# KiCad board 23-Carte_Alim_Turbines.kicad_pcb
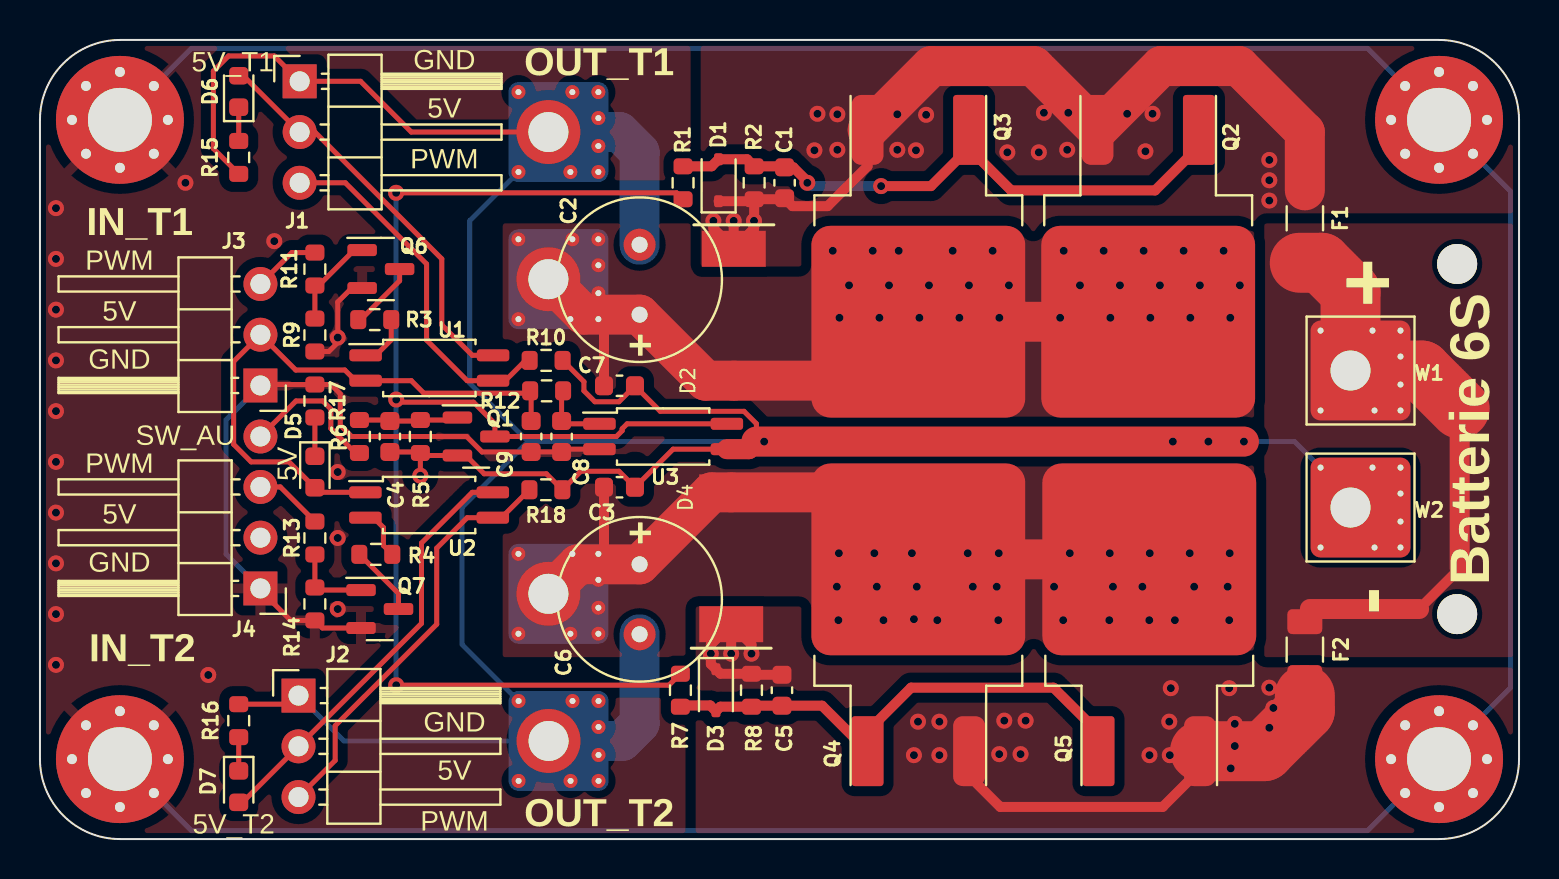
[diagram p0: board, top side]
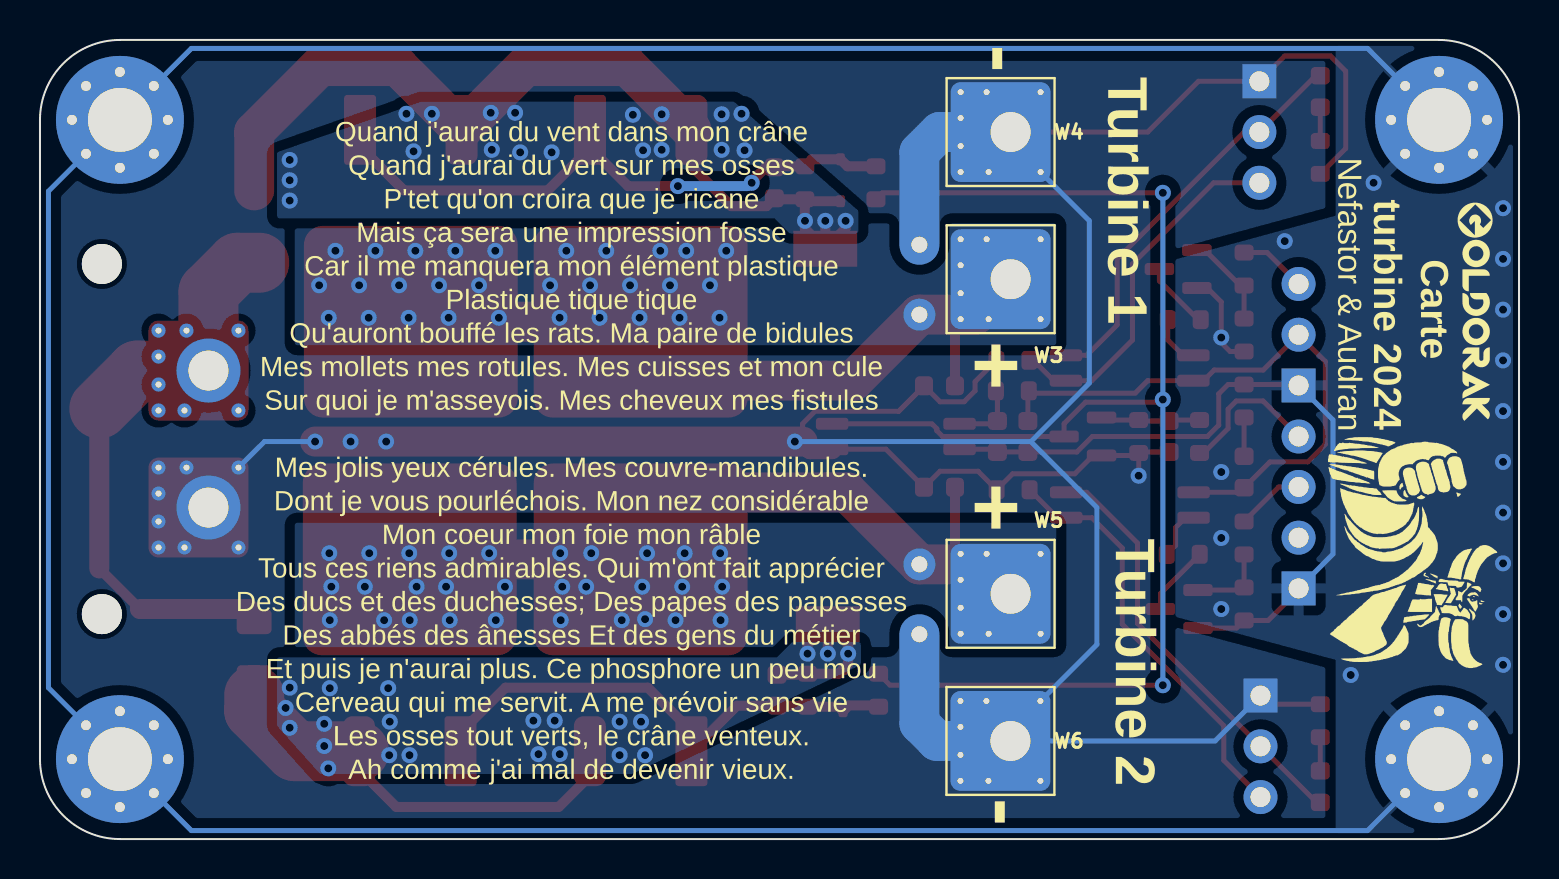
[diagram p1: board, bottom side, seen from below]

Outline 74 x 40 mm; copper layers: Top, Bottom. Coordinates in mm from the lower left corner of the outline.
Outline path: 0,36 arc(1.17,38.83) 4,40 70,40 arc(72.83,38.83) 74,36 74,4 arc(72.83,1.17) 70,0 4,0 arc(1.17,1.17) 0,4 0,36
Stack: Top 0.035mm / dielectric 1.51mm FR4 er 4.5 / Bottom 0.035mm

## Placement (name value [footprint] x y rotation side)
C1  100nF  [C_0603_1608Metric]  37.25 32.85 90 top
C2  470uF  [C_Radial_D8.0mm_H11.5mm_P3.50mm]  30 26.25 90 top
C3  100nF  [C_0603_1608Metric]  28.99 17.61 0 top
C4  100nF  [C_0603_1608Metric]  17.51 20.15 270 top
C5  100nF  [C_0603_1608Metric]  37.12 7.45 270 top
C6  470uF  [C_Radial_D8.0mm_H11.5mm_P3.50mm]  30 13.75 270 top
C7  100nF  [C_0603_1608Metric]  28.99 22.69 0 top
C8  100nF  [C_0603_1608Metric]  26.1 20.15 270 top
C9  10µF  [C_0603_1608Metric]  24.57 20.15 270 top
D1  14.6V  [D_SOD-323]  33.95 32.98 90 top
D2  ~  [DO-214AB]  34.71 26.25 270 top
D3  14.6V  [D_SOD-323]  33.82 7.45 270 top
D4  ~  [DO-214AB]  34.58 14.05 90 top
D5  LED  [LED_0603_1608Metric]  13.75 18.37 270 top
D6  LED  [LED_0603_1608Metric]  9.94 37.42 90 top
D7  LED  [LED_0603_1608Metric]  9.94 2.62 270 top
F1  40A (SF-1206HV40M-2)  [Fuse_1206_3216Metric]  63.28 31.07 90 top
F2  40A (SF-1206HV40M-2)  [Fuse_1206_3216Metric]  63.28 9.48 270 top
G***  -  [LOGO]  5.24 14.43 270 bottom
G***#2  -  [LOGO]  2.2 26.37 270 bottom
H1  MountingHole  [MountingHole_3.2mm_M3_Pad_Via]  4 4 0 top
H2  MountingHole  [MountingHole_3.2mm_M3_Pad_Via]  4 36 0 top
H3  MountingHole  [MountingHole_3.2mm_M3_Pad_Via]  70 36 0 top
H4  MountingHole  [MountingHole_3.2mm_M3_Pad_Via]  70 4 0 top
H5  MountingHole  [MountingHole_2mm]  70.9 28.79 0 top
H6  MountingHole  [MountingHole_2mm]  70.9 11.26 0 top
J1  Conn_01x03  [PinHeader_1x03_P2.54mm_Horizontal]  12.99 37.93 0 top
J2  Conn_01x03  [PinHeader_1x03_P2.54mm_Horizontal]  12.93 7.18 0 top
J3  Conn_01x03  [PinHeader_1x03_P2.54mm_Horizontal]  11.03 22.7 180 top
J4  Conn_01x03  [PinHeader_1x03_P2.54mm_Horizontal]  11.03 12.54 180 top
NOREF  -  [unnamed]  11.03 20.15 0 top
Q1  2N7002  [SOT-23]  21.82 20.15 0 top
Q2  SUM110P06-08L  [TO-263-2_Goldorak]  55.45 27.4 270 top
Q3  SUM110P06-08L  [TO-263-2_Goldorak]  43.95 27.4 270 top
Q4  SUM110P06-08L  [TO-263-2_Goldorak]  43.95 12.5 90 top
Q5  SUM110P06-08L  [TO-263-2_Goldorak]  55.5 12.5 90 top
Q6  2N7002  [SOT-23]  17.06 28.53 0 top
Q7  2N7002  [SOT-23]  17 11.51 0 top
R1  10k  [R_0603_1608Metric]  32.17 32.85 270 top
R2  10k  [R_0603_1608Metric]  35.73 32.85 270 top
R3  330  [R_0603_1608Metric]  16.75 26 0 top
R4  330  [R_0603_1608Metric]  16.8 14.25 0 top
R5  100k  [R_0603_1608Metric]  19.03 20.15 90 top
R6  47k  [R_0603_1608Metric]  15.98 20.15 270 top
R7  10k  [R_0603_1608Metric]  32.04 7.45 90 top
R8  10k  [R_0603_1608Metric]  35.6 7.45 90 top
R9  100k  [R_0603_1608Metric]  13.75 25.23 270 top
R10  10k  [R_0603_1608Metric]  25.32 23.96 0 top
R11  22  [R_0603_1608Metric]  13.75 28.53 270 top
R12  330  [R_0603_1608Metric]  25.35 22.44 0 top
R13  22  [R_0603_1608Metric]  13.75 15.07 270 top
R14  100k  [R_0603_1608Metric]  13.75 11.77 270 top
R15  1k  [R_0603_1608Metric]  9.94 34.12 90 top
R16  1k  [R_0603_1608Metric]  9.94 5.93 270 top
R17  1k  [R_0603_1608Metric]  13.75 21.93 270 top
R18  10k  [R_0603_1608Metric]  25.31 17.48 0 top
U1  ACPL-214-500E  [SOP-4_4.4x2.6mm_P1.27mm]  19.48 23.58 0 top
U2  ACPL-214-500E  [SOP-4_4.4x2.6mm_P1.27mm]  19.47 16.72 0 top
U3  ACPL-214-500E  [SOP-4_4.4x2.6mm_P1.27mm]  31.18 20.15 0 top
W1  Solder_Pad  [WireSolder_Pad_5.0x5.0mm]  65.57 23.45 0 top
W2  Solder_Pad  [WireSolder_Pad_5.0x5.0mm]  65.57 16.59 0 top
W3  Solder_Pad  [WireSolder_Pad_5.0x5.0mm]  25.44 28.02 0 bottom
W4  Solder_Pad  [WireSolder_Pad_5.0x5.0mm]  25.44 35.39 0 bottom
W5  Solder_Pad  [WireSolder_Pad_5.0x5.0mm]  25.44 12.28 0 bottom
W6  Solder_Pad  [WireSolder_Pad_5.0x5.0mm]  25.45 4.91 0 bottom

## Library data of the parts
C1 C3-C5 C7-C9 = -: Description: Unpolarized capacitor; Max voltage: 50V
C2 C6 = -: Description: Polarized capacitor, small symbol
D1 D3 = -: Description: Zener diode
D2 D4 = -: Description: Diode, small symbol, filled shape; Sim.Device: D; Sim.Pins: 1=K 2=A
D5-D7 = -: Description: Light emitting diode
F1 F2 = -: Description: Fuse
H1-H4 W1-W6 = -: Description: Mounting Hole with connection
H5 H6 = -: Description: Mounting Hole without connection
J1-J4 = -: Description: Generic connector, single row, 01x03, script generated (kicad-library-utils/schlib/autogen/connector/)
Q1 Q6 Q7 = -: Description: 0.115A Id, 60V Vds, N-Channel MOSFET, SOT-23
Q2-Q5 = -: Description: -35A Id, -60V Vds, P-Channel Power MOSFET, 25mOhm Ron, 25.0nC Qg (typ), TO252
R1-R18 = -: Description: Resistor
U1-U3 = -: Description: AC/DC Phototransistor Optocoupler, Vce 80V, CTR 20-400%, SOP-4

## Footprints (pads in the part's own frame, mm; a bottom-side part is the same pattern mirrored in y, then rotated)
C_0603_1608Metric
  rrect 0.9x0.95 smd: 1(-0.775,0) 2(0.775,0)
C_Radial_D8.0mm_H11.5mm_P3.50mm
  round 1.6 hole 0.8: 1(0,0) 2(3.5,0)
D_SOD-323
  rrect 0.6x0.45 smd: 1(-1.05,0) 2(1.05,0)
DO-214AB
  rect 1.8x3.2 smd: 1(-3.3,0) 2(3.3,0)
Fuse_1206_3216Metric
  rrect 1.25x1.75 smd: 1(-1.4,0) 2(1.4,0)
LED_0603_1608Metric
  rrect 0.875x0.95 smd: 1(-0.787,0) 2(0.787,0)
MountingHole_2mm
  round 2 hole 2 unplated: (0,0)
MountingHole_3.2mm_M3_Pad_Via
  round 0.8 hole 0.5: 1(-2.4,0) 1(-1.697,1.697) 1(-1.697,-1.697) 1(0,2.4) 1(0,-2.4) 1(1.697,1.697) 1(1.697,-1.697) 1(2.4,0)
  round 6.4 hole 3.2: 1(0,0)
PinHeader_1x03_P2.54mm_Horizontal
  rect 1.7x1.7 hole 1: 1(0,0)
  oval 1.7x1.7 hole 1: 2(0,-2.54) 3(0,-5.08)
R_0603_1608Metric
  rrect 0.8x0.95 smd: 1(-0.825,0) 2(0.825,0)
SOP-4_4.4x2.6mm_P1.27mm
  rrect 1.625x0.6 smd: 1(-3.188,0.635) 2(-3.188,-0.635) 3(3.188,-0.635) 4(3.188,0.635)
SOT-23
  rrect 1.475x0.6 smd: 1(-0.938,0.95) 2(-0.938,-0.95) 3(0.938,0)
TO-263-2_Goldorak
  rrect 3.5x1.6 smd: 1(-8.1,2.54) 3(-8.1,-2.54)
  rrect 4.55x5 smd: 2(-0.925,2.775) 2(-0.925,-2.775) 2(3.925,2.775) 2(3.925,-2.775)
  rrect 9.6x10.7 smd: 2(1.5,0)
unnamed
  oval 1.7x1.7 hole 1: 4(0,0)
WireSolder_Pad_5.0x5.0mm
  round 0.7 hole 0.3: 1(-1.5,2) 1(-1.5,-2) 1(1.1,2) 1(1.2,-2) 1(2.5,2) 1(2.5,0.7) 1(2.5,-0.7) 1(2.5,-2)
  round 3.2 hole 2: 1(0,0)
  rrect 5x5 smd: 1(0.5,0)

## Nets
/5V_ESC_T1: D6.2 J1.2 U1.4
/5V_ESC_T2: D7.2 J2.2 U2.4
/VBATT_24V: F1.1 F2.1 W1.1
/VBATT_24V_T1: C1.1 D1.1 D2.1 F1.2 Q2.3 Q3.3 R2.2
/VBATT_24V_T2: C5.1 D3.1 D4.1 F2.2 Q4.3 Q5.3 R8.2
GND: C8.2 C9.2 H1.1 H2.1 H3.1 H4.1 J3.1 J4.1 Q6.2 Q7.2 R9.2 R14.2 R17.1 U3.2
GNDPWR: C2.2 C3.2 C4.2 C6.2 C7.2 J1.1 J2.1 Q1.2 R5.1 R10.2 R15.1 R16.1 R18.2 U3.3 W2.1 W4.1 W6.1
/5P: C9.1 D5.2 J3.2 R12.1 U1.2 U2.1
/PWR_T1: C2.1 C7.1 D2.2 Q2.2 Q3.2 W3.1
/PWR_T2: C3.1 C6.1 D4.2 Q4.2 Q5.2 W5.1
/SW_AU: NOREF.4 R6.2
Net-(C8-Pad1): C8.1 R12.2 U3.1
Net-(D1-A): C1.2 D1.2 Q2.1 Q3.1 R1.1 R2.1
Net-(D3-A): C5.2 D3.2 Q4.1 Q5.1 R7.1 R8.1
Net-(D5-K): D5.1 R17.2
Net-(D6-K): D6.1 R15.2
Net-(D7-K): D7.1 R16.2
Net-(J1-Pin_3): J1.3 R10.1 U1.3
Net-(J2-Pin_3): J2.3 R18.1 U2.3
Net-(J3-Pin_3): J3.3 R11.1
Net-(J4-Pin_3): J4.3 R13.1
Net-(Q1-D): Q1.3 R1.2 R7.2 U3.4
Net-(Q1-G): C4.1 Q1.1 R5.2 R6.1
Net-(Q6-D): Q6.3 R3.1
Net-(Q6-G): Q6.1 R9.1 R11.2
Net-(Q7-D): Q7.3 R4.1
Net-(Q7-G): Q7.1 R13.2 R14.1
Net-(R3-Pad2): R3.2 U1.1
Net-(R4-Pad2): R4.2 U2.2

Pads without a net: J4 2

## Via types
v1: diameter 0.8, hole 0.4, Top to Bottom, 131 vias

## Routing (per net, layer and track width the routed paths; a pad name or vN(x,y) marks a point on that pad's centre or on a via; arc(x,y) is an arc through that point)
/5V_ESC_T1: length 20.5
  Top w0.25: U1.4 21.63,24.21 20.1,25.74 20.1,29.04 13.75,35.39 J1.2 10.17,38.21 D6.2
/5V_ESC_T2: length 21.5
  Top w0.25: U2.4 21.63,17.36 19.09,14.82 19.09,10.79 J2.2 10.13,1.84 D7.2
/VBATT_24V: length 30.8
  Top w0.25: F1.1 63.03,29.42 63.03,28.85 ; F2.1 63.28,11.26 63.54,11.51
  Top w0.5: 69,11.51 71.03,13.55
  Top w1: 71.03,13.55 71.03,21.55 ; 63.54,11.51 69,11.51
  Top w3: W1.1 65.57,27.39 64.11,28.85 63.03,28.85 ; W1.1 69.13,23.45 71.03,21.55
/VBATT_24V_T1: length 46.6
  Top w0.5: v1(34.71,30.94) 34.71,29.55 D2.1 ; D1.1 35.63,31.93 R2.2 ; D2.1 33.69,30.57 v1(33.69,30.94) ; D2.1 35.73,30.56 R2.2 ; R2.2 37.2,32.02 C1.1 37.65,31.68 39.41,31.68 41.41,33.68 Q3.3
  Top w2: Q3.3 44.6,38.69 49.71,38.69 Q2.3 56.1,38.69 59.98,38.69 63.28,35.39 F1.2
  vias: v1(35.72,30.94) v1(38.75,34.48) v1(38.9,36.3) v1(39.89,36.28) v1(39.89,34.5) v1(42.89,36.28) v1(42.89,34.5) v1(43.83,34.48) v1(44.34,36.25) v1(48.4,34.37) v1(49.97,34.37) v1(50.23,36.36) v1(51.45,36.36) v1(51.39,34.5) v1(54.39,36.3) v1(55.31,34.42) v1(55.66,36.3) v1(61.51,33.99) v1(61.51,32.98) v1(61.51,31.96)
/VBATT_24V_T2: length 32.3
  Top w0.25: F2.2 63.28,7.2
  Top w0.5: Q5.3 58.04,3.48 56.17,1.61 48.04,1.61 46.49,3.17 Q4.3 ; 37.12,8.22 35.65,8.22 R8.2 34.04,8.27 D3.1 33.57,8.75 33.57,9.74 D4.1 ; 35.6,9.35 35.6,9.74 D4.1 ; D4.1 34.58,9.35
  Top w3: Q5.3 61.25,4.4 63.28,6.43 63.28,7.2
  vias: v1(33.57,9.28) v1(34.58,9.28) v1(35.6,9.28) v1(43.73,4.2) v1(43.93,5.88) v1(45,5.88) v1(45,4.2) v1(47.99,4.25) v1(48.25,5.93) v1(49.06,4.25) v1(49.31,5.93) v1(55.51,4.2) v1(56.5,5.88) v1(56.53,4.2) v1(56.58,7.55) v1(59.5,7.55) v1(59.58,3.54) v1(59.78,5.77) v1(59.78,4.66) v1(61.51,7.58) v1(61.51,5.57) v1(61.71,6.56)
GND: length 214.6
  Top w0.25: Q6.2 15.6,27.58 14.9,26.88 v1(14.9,25.1) 14.9,24.85 14.45,24.4 R9.2 ; U3.2 26.24,19.51 C8.2 C9.2 22.12,19.37 21.35,20.15 15.59,20.15 15.02,20.72 15.02,22.28 14.55,22.75 11.08,22.75 J3.1 ; Q7.2 14.13,10.56 R14.2 12.55,10.94 11.03,12.46 J4.1
  Bottom w0.25: J4.1 9.31,14.27 9.31,20.98 J3.1 ; H2.1 7.57,39.57 66.42,39.57 H3.1 73.57,32.43 73.57,7.57 H4.1 66.42,0.42 7.57,0.42 H1.1
  vias: v1(0.8,31.58) v1(0.8,29.04) v1(0.8,26.5) v1(0.8,23.96) v1(0.8,21.42) v1(0.8,18.88) v1(0.8,16.34) v1(0.8,13.8) v1(0.8,11.26) v1(0.8,8.72) v1(7.28,32.85) v1(8.42,8.21) v1(11.72,29.93) v1(14.9,18.37) v1(14.9,15.07) v1(14.9,11.51)
GNDPWR: length 166.6
  Top w0.25: J2.1 12.5,6.75 R16.1 ; U3.3 31.67,19.51 C3.2 28.97,18.41 27.06,18.41 R18.2 25.34,18.28 22.22,18.28 21.31,19.2 Q1.2 19.16,19.2 R5.1 ; C4.2 18.98,19.37 R5.1 ; 9.94,33.29 8.67,34.56 8.67,38.44 9.44,39.2 11.72,39.2 J1.1 16.04,37.93 18.58,35.39 W4.1 ; 18.96,18.12 v1(19.03,18.19) R5.1 ; 35.84,19.9 35.84,20.79 35.22,21.41 31.04,21.41 29.77,22.68 C7.2 28.97,21.89 27.76,21.89 27.22,22.44 27.22,22.89 R10.2
  Top w1: 35.84,19.9 35.46,19.51 U3.3
  Top w1.5: v1(60.24,19.9) 35.84,19.9
  Bottom w0.25: W6.1 15.21,4.91 J2.1 ; W4.1 21.5,30.95 21.5,22.82 24.42,19.9 ; 24.42,19.9 21.12,16.59 21.12,9.74 W6.1 ; 24.42,19.9 v1(36.23,19.9) ; v1(60.24,19.9) 62.77,19.9 W2.1
  Bottom w2: C2.2 30,34.38 28.99,35.39 W4.1 ; C6.2 30,5.79 29.12,4.91 W6.1
  vias: v1(56.68,19.9) v1(58.46,19.9)
/5P: length 29.9
  Top w0.25: U2.1 13.98,17.36 12.46,18.88 10.57,18.88 9.69,19.76 9.69,23.91 J3.2 12.8,23.48 15.25,23.48 15.79,22.94 U1.2 18.58,22.94 19.2,22.32 24.41,22.32 R12.1 24.57,22.39 24.57,20.92
/PWR_T1: length 36.8
  Top w0.5: W3.1 28.22,25.74 C7.1
  Top w2: W3.1 27.21,26.25 C2.1 33.3,22.95 D2.2 40.99,22.95 43.95,25.9 55.45,25.9
  vias: v1(39.67,29.45) v1(40,26.09) v1(40.48,27.72) v1(41.67,29.45) v1(42,26.09) v1(42.48,27.72) v1(42.96,29.45) v1(44,26.09) v1(44.48,27.72) v1(45.67,29.45) v1(46,26.09) v1(46.48,27.72) v1(47.67,29.45) v1(48,26.09) v1(48.48,27.72) v1(51.04,26.09) v1(51.22,29.45) v1(52.03,27.72) v1(53.22,29.45) v1(53.55,26.09) v1(54.03,27.72) v1(55.22,29.45) v1(55.55,26.09) v1(56.03,27.72) v1(57.22,29.45) v1(57.55,26.09) v1(58.03,27.72) v1(59.22,29.45) v1(59.55,26.09) v1(60.03,27.72)
/PWR_T2: length 37
  Top w0.5: W5.1 28.22,14.56 C3.1
  Top w2: W5.1 26.91,13.75 C6.1 33.6,17.35 D4.2 40.59,17.35 Q4.2 Q5.2
  vias: v1(39.87,12.63) v1(39.95,10.96) v1(39.97,14.31) v1(41.74,14.31) v1(41.87,12.63) v1(42.2,10.96) v1(43.62,14.31) v1(43.73,11.01) v1(43.87,12.63) v1(44.89,10.96) v1(46.42,14.31) v1(46.67,12.63) v1(47.87,12.63) v1(47.95,10.96) v1(47.97,14.31) v1(50.74,12.63) v1(51.19,10.96) v1(51.52,14.31) v1(53.52,14.31) v1(53.5,10.96) v1(53.68,12.63) v1(55.16,12.63) v1(55.52,14.31) v1(55.5,10.96) v1(56.78,10.96) v1(57.52,14.31) v1(57.75,12.63) v1(59.42,12.63) v1(59.52,14.31) v1(59.5,10.96)
/SW_AU: length 7.5
  Top w0.25: R6.2 15.78,19.32 14.55,20.55 14.55,21.52 14.15,21.93 12.81,21.93 NOREF.4
  Top w0.5: NOREF.4 11.21,20.15
Net-(C8-Pad1): length 3.4
  Top w0.25: 27.99,20.78 26.24,20.78 26.1,20.92 26.1,22.36
Net-(D1-A): length 31.7
  Top w0.5: Q2.1 57.99,34.66 55.79,32.47 48.59,32.47 46.49,34.57 Q3.1 46.49,34.59 44.58,32.68 v1(42.08,32.68) ; R1.1 33.6,33.67 33.95,34.03 35.38,34.03 R2.1 37.2,33.67 C1.2 37.69,33.62 38.39,32.92
  Bottom w0.5: v1(42.08,32.68) 38.63,32.68 38.39,32.92
  vias: v1(38.39,32.85)
Net-(D3-A): length 25.9
  Top w0.5: R7.1 32.1,6.69 33.53,6.69 D3.2 34.04,6.62 R8.1 35.65,6.67 C5.2 39.13,6.67 Q4.1 41.41,5.4 43.58,7.58 50.71,7.58 52.96,5.33 Q5.1
Net-(D5-K): length 2
  Top w0.25: 13.75,21.17 R17.2 D5.1
Net-(D6-K): length 1.7
  Top w0.25: D6.1 R15.2
Net-(D7-K): length 1.7
  Top w0.25: R16.2 D7.1
Net-(J1-Pin_3): length 18.3
  Top w0.25: J1.3 15.28,32.85 19.34,28.79 19.34,24.98 21.37,22.94 U1.3 23.28,22.94 24.29,23.96 R10.1
Net-(J2-Pin_3): length 21.2
  Top w0.25: R18.1 23.09,16.09 U2.3 21.37,16.09 19.85,14.56 19.85,10.75 14.77,5.67 14.77,3.94 J2.3
Net-(J3-Pin_3): length 3.4
  Top w0.25: R11.1 12.6,29.36 J3.3
Net-(J4-Pin_3): length 3.4
  Top w0.25: J4.3 12.02,17.62 R13.1
Net-(Q1-D): length 71.6
  Top w0.25: 34.37,20.78 29.37,20.78 29.13,20.54 29.13,20.44 28.84,20.15 Q1.3 22.76,20.79 21.69,21.87 17.92,21.87 17.82,21.97 ; R1.2 31.85,32.35 17.82,32.35 v1(17.82,32.35) ; v1(17.82,7.7) 17.83,7.7 31.47,7.7 R7.2
  Bottom w0.25: v1(17.82,32.35) 17.82,32.35 17.82,21.98 17.82,21.97 17.82,21.97 17.82,7.7 v1(17.82,7.7)
  vias: v1(17.82,22)
Net-(Q1-G): length 5
  Top w0.25: R6.1 17.46,20.97 17.51,20.92 18.98,20.92 R5.2 20.76,20.97 Q1.1
Net-(Q6-D): length 3.5
  Top w0.25: Q6.3 17.99,27.95 16.05,26 R3.1
Net-(Q6-G): length 4.9
  Top w0.25: 13.75,27.71 13.94,27.71 15.72,29.48 Q6.1 ; 13.75,27.71 13.68,27.78 ; 13.75,27.71 R9.1
Net-(Q7-D): length 3.5
  Top w0.25: R4.1 17.94,12.29 Q7.3
Net-(Q7-G): length 4
  Top w0.25: R13.2 R14.1 13.88,12.46 Q7.1
Net-(R3-Pad2): length 2.6
  Top w0.25: U1.1 16.8,24.21 17.57,24.99 R3.2
Net-(R4-Pad2): length 2.6
  Top w0.25: R4.2 17.18,14.69 17.18,15.6 16.69,16.09 U2.2

## Copper pours and planes (outline as drawn; the poured copper is in the pictures)
/VBATT_24V on Top: 74,30.82 61.25,30.82 61.25,9.1 74,9.1
/VBATT_24V_T1 on Top: 33.06,39.96 73.95,39.96 73.95,28.66 33.06,28.66
/VBATT_24V_T1 on Bottom: 39.28,36.91 54.9,36.91 62.14,34.37 62.14,31.07 37.25,31.07 36.49,30.31 33.06,30.31 33.06,31.45
/VBATT_24V_T2 on Top: 73.95,0.08 73.95,11.64 32.8,11.64 32.8,0.08
/VBATT_24V_T2 on Bottom: 44.36,3.26 59.98,3.26 62.14,5.67 62.14,9.1 37.12,9.1 36.36,9.86 32.93,9.86 32.93,8.72
GND on Top: 33.06,39.96 32.8,0.08 0.04,0.08 0.04,39.96
GND on Bottom: 9.18,8.97 17.69,11.26 17.56,28.91 9.18,31.2 9.18,39.96 0.04,39.96 0.04,0.08 9.18,0.08
GNDPWR on Bottom: 73.95,40.09 9.18,39.96 9.18,0.08 73.95,0.08
/PWR_T1 on Top: 23.15,20.91 61.25,20.91 61.25,30.82 23.15,30.82
/PWR_T1 on Bottom: 23.15,24.72 61.25,24.72 61.25,30.82 23.15,30.82
/PWR_T2 on Top: 23.15,18.88 61.25,18.88 61.25,9.1 23.15,9.1
/PWR_T2 on Bottom: 23.15,15.83 61.25,15.83 61.25,9.61 23.15,9.61

## Text on the board
B.Silkscreen: Quand j'aurai du vent dans mon crâne / Quand j'aurai du vert sur mes osses / P'tet qu'on croira que je ricane / Mais ça sera une impression fosse / Car il me manquera mon élément plastique / Plastique tique tique / Qu'auront bouffé les rats. Ma paire de bidules / Mes mollets mes rotules. Mes cuisses et mon cule / Sur quoi je m'asseyois. Mes cheveux mes fistules / Mes jolis yeux cérules. Mes couvre-mandibules. / Dont je vous pourléchois. Mon nez considérable / Mon coeur mon foie mon râble / Tous ces riens admirables. Qui m'ont fait apprécier / Des ducs et des duchesses; Des papes des papesses / Des abbés des ânesses Et des gens du métier / Et puis je n'aurai plus. Ce phosphore un peu mou / Cerveau qui me servit. A me prévoir sans vie / Les osses tout verts, le crâne venteux. / Ah comme j'ai mal de devenir vieux. | Nefastor & Audran | Carte / turbine 2024 | Turbine 2 | Turbine 1 | - | +
F.Silkscreen: PWM | 5V | GND | SW_AU | 5V_T1 | 5V_T2 | IN_T1 | IN_T2 | OUT_T1 | OUT_T2 | + | Batterie 6S | +            -
